# KiCad board DFTBoard.kicad_pcb (continued)
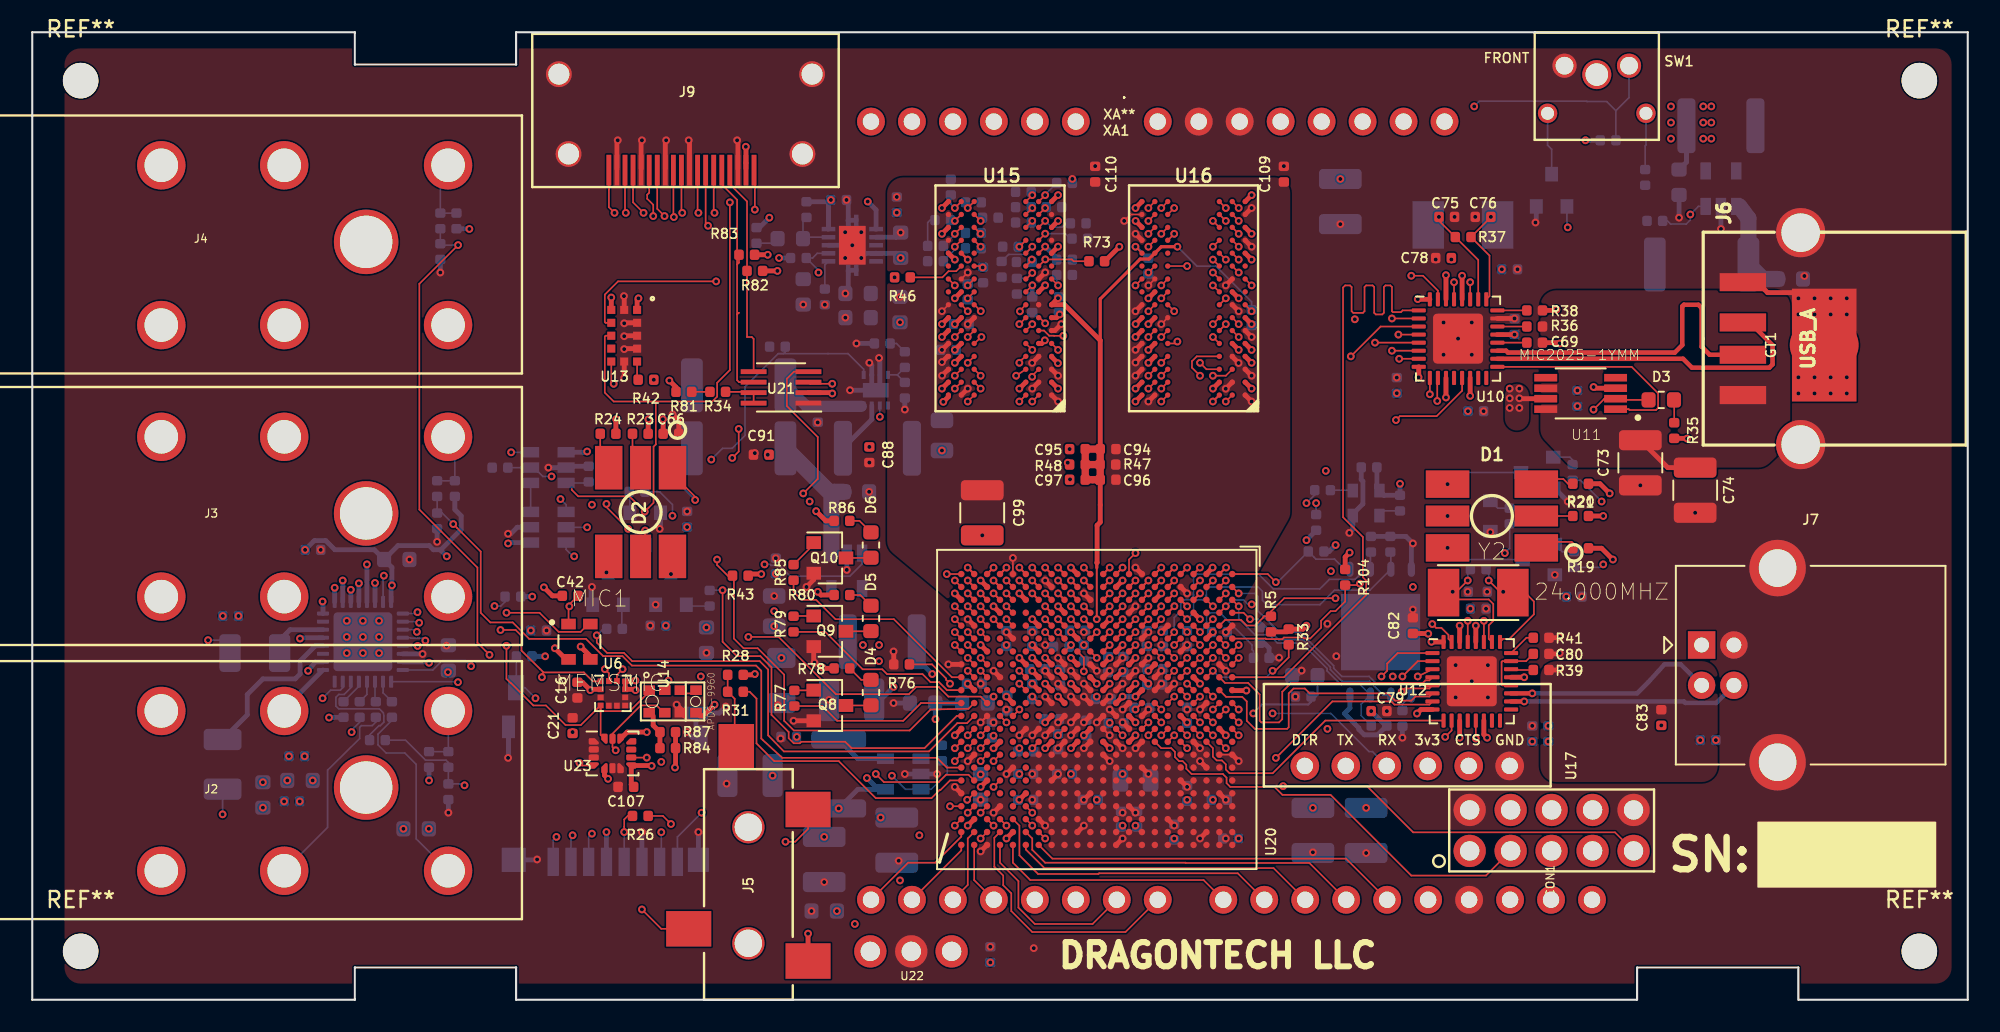
[diagram p0: board, top side]
## Routing (per net, layer and track width the routed paths; a pad name or vN(x,y) marks a point on that pad's centre or on a via; arc(x,y) is an arc through that point) (continued)
DDR3_DQ3: length 32.1
  TOP_GND w0.102: U16.F8 v1(69.2,41.1)
  TOP_GND w0.13: U20.F1 v1(70.8,26.8)
  SIGNAL2 w0.102: v1(70.8,26.8) 70.8,28.5 72.12,29.82 72.12,34.67 73.97,36.53 74.22,36.53 74.39,36.69 74.39,37.29 74.18,37.5 72.95,37.5 72.8,37.65 72.8,39.05 72.85,39.1 72.85,39.7 72.65,39.9 72.1,39.9 71.61,39.4 70.7,39.4 70.22,39.88 70.22,39.9 69.44,40.67 69.35,40.67 69.31,40.71 67.79,40.71 67.78,40.7 65.95,40.7 65.75,40.9 65.75,42.05 67,43.3 68.6,43.3 68.8,43.1 68.8,41.5 v1(69.2,41.1)
DDR3_DQ4: length 30.1
  TOP_GND w0.102: U16.H3 v1(74,43.5)
  TOP_GND w0.13: U20.E3 v1(71.6,24.4)
  SIGNAL2 w0.102: v1(74,43.5) 74.4,43.9 77.55,43.9 78.55,42.9 78.55,28.1 76.75,26.29 76.69,26.29 75.21,24.81 74.63,24.81 74.41,24.59 74.41,24.23 74.19,24.01 72.01,24.01 72,24 v1(71.6,24.4)
DDR3_DQ5: length 31.1
  TOP_GND w0.102: U16.H8 v1(69.2,42.7)
  TOP_GND w0.13: U20.E1 v1(71.6,26.8)
  SIGNAL2 w0.102: v1(69.2,42.7) 69.6,42.3 69.6,41.7 69.8,41.5 70.2,41.5 70.4,41.3 70.4,40.85 70.85,40.4 71.2,40.4 71.4,40.6 71.4,42.2 71.5,42.3 71.75,42.3 71.8,42.25 71.8,40.65 72.05,40.4 72.72,40.4 73.04,40.09 73.36,40.09 73.49,39.96 73.49,39.64 73.96,39.16 73.96,38.74 74.04,38.66 74.46,38.66 74.94,38.19 74.94,35.94 73.82,34.83 73.82,32.86 73.82,32.82 73.81,32.79 73.79,32.77 73.77,32.75 73.75,32.73 73.72,32.72 73.69,32.72 73.04,32.72 73.01,32.71 72.98,32.7 72.96,32.68 72.94,32.66 72.92,32.64 72.91,32.61 72.9,32.58 72.9,32.45 72.91,32.42 72.92,32.39 72.94,32.37 72.96,32.35 72.98,32.33 73.01,32.32 73.04,32.31 74.16,32.31 74.19,32.31 74.22,32.3 74.24,32.28 74.26,32.26 74.28,32.24 74.29,32.21 74.3,32.17 74.3,32.06 74.29,32.02 74.28,31.99 74.26,31.97 74.24,31.95 74.22,31.93 74.19,31.92 74.16,31.91 73.04,31.91 73.01,31.91 72.98,31.9 72.96,31.88 72.94,31.86 72.92,31.84 72.91,31.81 72.9,31.78 72.9,31.66 72.91,31.62 72.92,31.59 72.94,31.57 72.96,31.55 72.98,31.53 73.01,31.52 73.04,31.51 74.16,31.51 74.19,31.51 74.22,31.5 74.24,31.48 74.26,31.46 74.28,31.44 74.29,31.41 74.3,31.38 74.3,31.25 74.29,31.22 74.28,31.19 74.26,31.17 74.24,31.15 74.22,31.13 74.19,31.12 74.16,31.12 73.66,31.12 73.35,30.8 73.35,30 72.43,29.08 72.42,29.08 71.6,28.26 v1(71.6,26.8)
DDR3_DQ6: length 32.2
  TOP_GND w0.102: U16.G2 v1(74.8,41.9)
  TOP_GND w0.13: U20.D3 v1(72.4,25.2)
  SIGNAL2 w0.102: 72.59,25.2 v1(72.4,25.2) 72.4,25.1 72,24.7 72,24.5 72.25,24.25 72.65,24.25 72.8,24.4 72.8,25.15 73.05,25.4 73.47,25.4 73.68,25.61 74.19,25.61 75.37,26.78 75.42,26.78 77.54,28.91 77.54,31.61 77.5,31.65 77.5,31.75 77.5,31.77 77.51,31.79 77.52,31.81 77.54,31.83 77.56,31.84 77.58,31.85 77.6,31.85 77.64,31.85 77.66,31.85 77.68,31.86 77.7,31.87 77.72,31.89 77.73,31.91 77.74,31.93 77.74,31.95 77.74,32.15 77.74,32.17 77.73,32.19 77.72,32.21 77.7,32.23 77.68,32.24 77.66,32.25 77.64,32.25 77.31,32.25 77.29,32.25 77.27,32.26 77.25,32.27 77.23,32.29 77.22,32.31 77.21,32.33 77.21,32.35 77.21,32.55 77.21,32.57 77.22,32.59 77.23,32.61 77.25,32.63 77.27,32.64 77.29,32.65 77.31,32.65 77.64,32.65 77.66,32.65 77.68,32.66 77.7,32.67 77.72,32.69 77.73,32.71 77.74,32.73 77.74,32.75 77.74,32.95 77.74,32.97 77.73,32.99 77.72,33.01 77.7,33.03 77.68,33.04 77.66,33.05 77.64,33.05 77.31,33.05 77.29,33.05 77.27,33.06 77.25,33.07 77.23,33.09 77.22,33.11 77.21,33.13 77.21,33.15 77.21,33.35 77.21,33.37 77.22,33.39 77.23,33.41 77.25,33.43 77.27,33.44 77.29,33.45 77.31,33.45 77.64,33.45 77.66,33.45 77.68,33.46 77.7,33.47 77.72,33.49 77.73,33.51 77.74,33.53 77.74,33.55 77.74,33.75 77.74,33.77 77.73,33.79 77.72,33.81 77.7,33.83 77.68,33.84 77.66,33.85 77.64,33.85 77.31,33.85 77.29,33.85 77.27,33.86 77.25,33.87 77.23,33.89 77.22,33.91 77.21,33.93 77.21,33.95 77.21,34.15 77.21,34.17 77.22,34.19 77.23,34.21 77.25,34.23 77.27,34.24 77.29,34.25 77.31,34.25 77.64,34.25 77.66,34.25 77.68,34.26 77.7,34.27 77.72,34.29 77.73,34.31 77.74,34.33 77.74,34.35 77.74,34.55 77.74,34.57 77.73,34.59 77.72,34.61 77.7,34.63 77.68,34.64 77.66,34.65 77.64,34.65 77.31,34.65 77.29,34.65 77.27,34.66 77.25,34.67 77.23,34.69 77.22,34.71 77.21,34.73 77.21,34.75 77.21,34.95 77.21,34.97 77.22,34.99 77.23,35.01 77.25,35.03 77.27,35.04 77.29,35.05 77.31,35.05 77.64,35.05 77.66,35.05 77.68,35.06 77.7,35.07 77.72,35.09 77.73,35.11 77.74,35.13 77.74,35.15 77.74,35.35 77.74,35.37 77.73,35.39 77.72,35.41 77.7,35.43 77.68,35.44 77.66,35.45 77.64,35.45 77.31,35.45 77.29,35.45 77.27,35.46 77.25,35.47 77.23,35.49 77.22,35.51 77.21,35.53 77.21,35.55 77.21,35.75 77.21,35.77 77.22,35.79 77.23,35.81 77.25,35.83 77.27,35.84 77.29,35.85 77.31,35.85 77.4,35.85 77.42,35.85 77.44,35.86 77.46,35.87 77.48,35.89 77.49,35.91 77.5,35.93 77.5,35.95 77.5,43 77.4,43.1 76.05,43.1 76,43.05 76,42.52 75.78,42.3 75.2,42.3 v1(74.8,41.9)
DDR3_DQ7: length 30.9
  TOP_GND w0.102: U16.H7 v1(70.8,42.7)
  TOP_GND w0.13: v1(72.4,26.8) 72.4,26.8 U20.D1
  SIGNAL2 w0.102: v1(70.8,42.7) 70.8,42.45 70.7,42.35 70.7,41.7 70.65,41.65 70.5,41.65 70.4,41.75 70.4,42.1 70.15,42.35 70,42.35 69.8,42.55 69.8,42.9 69.95,43.05 70.2,43.05 70.4,43.25 70.4,43.6 70.7,43.9 73.35,43.9 73.6,43.65 73.6,43.32 73.92,43 73.92,42.8 73.76,42.64 72.69,42.64 72.5,42.45 72.5,41.2 73.05,40.65 73.85,40.65 74.11,40.39 74.11,39.86 74.38,39.58 74.38,39.32 74.61,39.09 75.81,39.09 76.04,38.86 76.04,36.97 75.44,36.36 75.44,34.39 75.4,34.35 75.4,30.75 72.4,27.75 72.4,27.75 v1(72.4,26.8)
DDR3_DQ8: length 19.9
  TOP_GND w0.102: U16.D7 v1(70,39.5)
  TOP_GND w0.13: U20.L3 v1(66.8,25.2)
  SIGNAL2 w0.102: v1(70,39.5) 69.6,39.9 68.6,39.9 68.59,39.91 66.59,39.91 66.09,39.41 66.09,25.91 v1(66.8,25.2)
DDR3_DQ9: length 18.9
  TOP_GND w0.102: v1(72.4,39.5) 72.8,39.1 U16.C3
  TOP_GND w0.13: U20.L1 v1(66.8,26.8)
  SIGNAL2 w0.102: v1(66.8,26.8) 66.8,27.38 67.06,27.64 67.06,37.14 68.23,38.31 69.4,38.31 69.61,38.51 69.61,38.89 69.83,39.11 72.01,39.11 v1(72.4,39.5)
DDR3_DQ10: length 19.5
  TOP_GND w0.102: U16.C8 v1(69.2,38.7)
  TOP_GND w0.13: U20.L2 v1(66.8,26)
  SIGNAL2 w0.102: v1(66.8,26) 66.4,26.4 66.4,27.7 66.59,27.89 66.59,37.99 66.59,38.03 66.61,38.07 66.63,38.11 66.66,38.14 66.7,38.17 66.74,38.18 66.79,38.19 67.37,38.19 67.41,38.19 67.46,38.21 67.49,38.23 67.53,38.26 67.55,38.3 67.56,38.34 67.57,38.39 67.56,38.43 67.55,38.47 67.53,38.51 67.49,38.54 67.46,38.57 67.41,38.58 67.37,38.59 66.79,38.59 66.74,38.59 66.7,38.61 66.66,38.63 66.63,38.66 66.61,38.7 66.59,38.74 66.59,38.79 66.59,39.24 66.95,39.6 67.44,39.6 67.94,39.09 68.81,39.09 v1(69.2,38.7) 69.2,38.56
DDR3_DQ11: length 23.3
  TOP_GND w0.102: U16.C2 74,38.7 v1(73.2,38.7) ; v1(68.4,27.7) 68,27.3 U20.J1
  SIGNAL1 w0.102: v1(68.4,27.7) 68.4,28.6 68.5,28.7 68.53,28.73 68.57,28.74 68.61,28.75 68.65,28.75 68.69,28.74 68.73,28.73 68.79,28.67 68.83,28.66 68.87,28.65 68.91,28.65 68.95,28.66 68.99,28.67 69.02,28.7 69.04,28.72 69.07,28.76 69.09,28.79 69.1,28.83 69.1,28.87 69.09,28.91 69.07,28.95 69.04,28.98 68.91,29.11 68.92,29.12 68.85,29.2 68.83,29.22 68.82,29.24 68.82,29.27 68.82,29.29 68.82,29.31 68.83,29.34 68.85,29.35 68.98,29.48 69,29.5 69.02,29.51 69.04,29.52 69.07,29.52 69.09,29.51 69.11,29.5 69.13,29.48 69.34,29.28 69.37,29.25 69.41,29.23 69.45,29.22 69.49,29.22 69.53,29.23 69.56,29.25 69.6,29.28 69.62,29.3 69.65,29.33 69.66,29.37 69.67,29.41 69.67,29.45 69.66,29.49 69.65,29.53 69.62,29.56 69.41,29.77 69.4,29.79 69.39,29.81 69.38,29.83 69.38,29.86 69.39,29.88 69.4,29.9 69.41,29.92 69.54,30.05 69.56,30.06 69.58,30.08 69.61,30.08 69.63,30.08 69.65,30.08 69.68,30.06 69.7,30.05 69.9,29.84 69.93,29.82 69.97,29.8 70.01,29.79 70.05,29.79 70.09,29.8 70.13,29.82 70.16,29.84 70.19,29.87 70.21,29.9 70.23,29.94 70.24,29.98 70.24,30.02 70.23,30.06 70.21,30.09 70.19,30.13 69.98,30.33 69.96,30.35 69.95,30.37 69.95,30.4 69.95,30.42 69.95,30.45 69.96,30.47 69.98,30.49 70.11,30.62 70.13,30.63 70.15,30.64 70.17,30.65 70.2,30.65 70.22,30.64 70.24,30.63 70.26,30.62 70.47,30.41 70.5,30.38 70.54,30.37 70.58,30.36 70.62,30.36 70.66,30.37 70.7,30.38 70.73,30.41 70.75,30.43 70.78,30.46 70.79,30.5 70.8,30.54 70.8,30.58 70.79,30.62 70.78,30.66 70.73,30.72 70.71,30.76 70.7,30.8 70.7,30.84 70.71,30.88 70.73,30.92 70.75,30.95 72.57,32.78 72.57,35.83 72.75,36 73.45,36 73.6,36.15 73.6,38.08 74,38.48 74,39.95 73.75,40.2 73.55,40.2 73.2,39.85 v1(73.2,38.7)
  SIGNAL2 w0.102: v1(73.2,38.7) 73.1,38.7
DDR3_DQ12: length 20.7
  TOP_GND w0.102: U16.A7 v1(70,37.1)
  TOP_GND w0.13: U20.K1 v1(67.6,26.8)
  SIGNAL2 w0.102: v1(70,37.1) 70.25,37.1 70.55,37.4 70.85,37.4 70.9,37.45 70.9,37.7 70.75,37.85 70.53,37.85 70.19,37.51 69.81,37.51 69.6,37.3 69.6,36.7 68.18,35.28 68.18,31.32 68.18,31.28 68.19,31.24 68.22,31.2 68.25,31.17 68.29,31.14 68.33,31.13 68.38,31.12 68.7,31.12 68.74,31.12 68.79,31.11 68.82,31.08 68.86,31.05 68.88,31.01 68.89,30.97 68.9,30.93 68.89,30.88 68.88,30.84 68.86,30.8 68.82,30.77 68.79,30.74 68.74,30.73 68.7,30.72 67.99,30.72 67.95,30.72 67.91,30.71 67.87,30.68 67.84,30.65 67.82,30.62 67.81,30.58 67.8,30.54 67.8,30.51 67.81,30.47 67.82,30.43 67.84,30.4 67.87,30.37 67.91,30.34 67.95,30.33 67.99,30.32 68.7,30.32 68.74,30.32 68.79,30.31 68.82,30.28 68.86,30.25 68.88,30.21 68.89,30.17 68.9,30.12 68.89,30.08 68.88,30.04 68.86,30 68.82,29.97 68.79,29.94 68.74,29.93 68.7,29.93 67.99,29.93 67.95,29.92 67.91,29.91 67.87,29.88 67.84,29.85 67.82,29.82 67.81,29.78 67.8,29.74 67.8,29.71 67.81,29.67 67.82,29.63 67.84,29.6 67.87,29.57 67.91,29.54 67.95,29.53 67.99,29.53 68.36,29.53 68.4,29.52 68.44,29.51 68.48,29.48 68.51,29.45 68.53,29.42 68.54,29.38 68.55,29.34 68.55,29.31 68.54,29.27 68.53,29.23 68.51,29.2 68.48,29.17 68.44,29.14 68.4,29.13 68.36,29.12 67.99,29.12 67.95,29.12 67.91,29.11 67.87,29.08 67.84,29.05 67.82,29.02 67.81,28.98 67.8,28.94 67.8,28.91 67.81,28.87 67.82,28.83 67.84,28.8 67.87,28.77 67.91,28.74 67.95,28.73 67.99,28.72 68.18,28.72 68.18,28.71 68.36,28.71 68.4,28.71 68.44,28.69 68.48,28.67 68.51,28.64 68.53,28.61 68.54,28.57 68.55,28.53 68.55,28.5 68.54,28.46 68.53,28.42 68.51,28.38 68.48,28.35 68.44,28.33 68.4,28.32 68.32,28.31 68.28,28.29 68.25,28.27 68.22,28.24 68.19,28.21 68.18,28.17 68.18,28.12 67.84,27.79 67.84,27.41 67.6,27.17 v1(67.6,26.8)
DDR3_DQ13: length 20.5
  TOP_GND w0.102: U16.A2 v1(74,37.1)
  TOP_GND w0.13: U20.G2 v1(70,26)
  SIGNAL2 w0.102: v1(74,37.1) 73.65,37.1 73.6,37.05 73.6,36.7 71.5,34.6 71.5,31.53 71.5,31.5 71.51,31.47 71.53,31.44 71.55,31.42 71.58,31.4 71.61,31.39 71.64,31.39 71.68,31.39 71.71,31.39 71.74,31.38 71.77,31.36 71.79,31.34 71.81,31.31 71.82,31.28 71.82,31.25 71.82,31.13 71.82,31.1 71.81,31.07 71.79,31.04 71.77,31.02 71.74,31 71.71,30.99 71.68,30.99 71.64,30.99 71.61,30.99 71.58,30.98 71.55,30.96 71.53,30.94 71.51,30.91 71.5,30.88 71.5,30.85 71.5,30.73 71.5,30.7 71.51,30.67 71.53,30.64 71.55,30.62 71.58,30.6 71.61,30.59 71.64,30.59 71.68,30.59 71.71,30.59 71.74,30.58 71.77,30.56 71.79,30.54 71.81,30.51 71.82,30.48 71.82,30.45 71.82,30.33 71.82,30.3 71.81,30.27 71.79,30.24 71.77,30.22 71.74,30.2 71.71,30.19 71.68,30.19 71.64,30.19 71.61,30.19 71.58,30.18 71.55,30.16 71.53,30.14 71.51,30.11 71.5,30.08 71.5,30.05 71.5,29.85 70.4,28.75 70.4,25.02 70.17,24.79 69.81,24.79 69.6,24.59 69.6,24.21 69.4,24.01 69.01,24.01 68.81,24.21 68.81,24.59 69.01,24.79 69.37,24.79 69.59,25.01 69.59,25.37 70,25.78 v1(70,26)
DDR3_DQ14: length 19.5
  TOP_GND w0.102: U16.B8 v1(69.2,37.9)
  TOP_GND w0.13: U20.K3 v1(67.6,25.2)
  SIGNAL2 w0.102: v1(69.2,37.9) 69.2,37.74 68.81,37.34 68.81,37.16 68.81,37.15 68.81,36.31 68.35,35.85 68.1,35.85 68,35.95 68,36.85 68.01,36.86 68.01,37.09 67.9,37.2 67.7,37.2 67.55,37.05 67.55,32.66 67.55,32.63 67.54,32.61 67.53,32.59 67.51,32.57 67.49,32.56 67.47,32.55 67.42,32.55 67.4,32.54 67.38,32.53 67.36,32.51 67.35,32.49 67.34,32.47 67.34,32.44 67.34,32.26 67.34,32.23 67.35,32.21 67.36,32.19 67.38,32.17 67.4,32.16 67.42,32.15 67.44,32.15 67.73,32.15 67.77,32.15 67.81,32.13 67.85,32.11 67.87,32.08 67.9,32.05 67.91,32.01 67.91,31.97 67.91,31.93 67.91,31.89 67.9,31.85 67.87,31.82 67.85,31.79 67.81,31.77 67.77,31.75 67.73,31.75 67.44,31.75 67.42,31.75 67.4,31.74 67.38,31.73 67.36,31.71 67.35,31.69 67.34,31.67 67.34,31.64 67.34,31.46 67.34,31.43 67.35,31.41 67.36,31.39 67.38,31.37 67.4,31.36 67.42,31.35 67.44,31.35 67.55,31.35 67.55,31.33 67.73,31.33 67.77,31.33 67.81,31.31 67.85,31.29 67.87,31.26 67.9,31.23 67.91,31.19 67.91,31.15 67.91,31.11 67.91,31.07 67.9,31.04 67.87,31 67.85,30.97 67.81,30.95 67.77,30.94 67.69,30.93 67.65,30.91 67.62,30.89 67.59,30.86 67.57,30.83 67.55,30.79 67.55,30.75 67.55,27.55 67.21,27.21 67.21,25.59 v1(67.6,25.2)
DDR3_DQ15: length 23.1
  TOP_GND w0.13: U16.A3 v1(73.2,37.1) ; U20.G1 v1(70,26.8)
  SIGNAL2 w0.102: 72.96,36.86 v1(73.2,37.1) 72.91,36.81 72.88,36.78 72.87,36.74 72.86,36.71 72.86,36.67 72.87,36.63 72.88,36.6 72.93,36.54 72.95,36.5 72.96,36.47 72.96,36.43 72.95,36.39 72.93,36.36 72.91,36.33 72.86,36.29 72.83,36.26 72.8,36.25 72.76,36.24 72.73,36.24 72.69,36.25 72.65,36.26 72.62,36.29 72.42,36.49 72.4,36.51 72.38,36.52 72.35,36.52 72.32,36.52 72.3,36.52 72.27,36.51 72.25,36.49 72.14,36.37 72.12,36.35 72.11,36.33 72.1,36.3 72.1,36.28 72.11,36.25 72.12,36.23 72.14,36.21 72.34,36 72.37,35.97 72.38,35.94 72.39,35.9 72.39,35.86 72.38,35.83 72.37,35.79 72.34,35.76 72.3,35.72 72.27,35.7 72.23,35.68 72.2,35.67 72.16,35.67 72.12,35.68 72.09,35.7 72.06,35.72 71.86,35.92 71.83,35.94 71.81,35.95 71.78,35.96 71.76,35.96 71.73,35.95 71.71,35.94 71.69,35.92 71.57,35.81 71.56,35.79 71.54,35.76 71.54,35.74 71.54,35.71 71.54,35.69 71.56,35.66 71.57,35.64 71.66,35.56 71.65,35.55 71.77,35.43 71.8,35.4 71.81,35.37 71.82,35.33 71.82,35.29 71.81,35.26 71.8,35.22 71.77,35.19 71.73,35.15 71.7,35.13 71.66,35.11 71.63,35.1 71.59,35.1 71.55,35.11 71.52,35.13 71.46,35.17 71.43,35.19 71.39,35.2 71.35,35.2 71.31,35.19 71.28,35.17 71.25,35.15 70.71,34.61 70.71,34.34 70.71,34.3 70.69,34.26 70.67,34.22 70.63,34.19 70.6,34.16 70.55,34.15 70.51,34.14 70.47,34.14 70.43,34.14 70.39,34.12 70.35,34.1 70.32,34.07 70.29,34.03 70.28,33.99 70.27,33.94 70.28,33.9 70.29,33.86 70.32,33.82 70.35,33.79 70.39,33.76 70.43,33.75 70.47,33.74 71.05,33.74 71.09,33.74 71.13,33.72 71.17,33.7 71.2,33.67 71.23,33.63 71.24,33.59 71.25,33.54 71.24,33.5 71.23,33.46 71.2,33.42 71.17,33.39 71.13,33.36 71.09,33.35 71.05,33.34 70.47,33.34 70.43,33.34 70.39,33.32 70.35,33.3 70.32,33.27 70.29,33.23 70.28,33.19 70.27,33.14 70.28,33.1 70.29,33.06 70.32,33.02 70.35,32.99 70.39,32.96 70.43,32.95 70.47,32.94 71.05,32.94 71.09,32.94 71.13,32.92 71.17,32.9 71.2,32.87 71.23,32.83 71.24,32.79 71.25,32.74 71.24,32.7 71.23,32.66 71.2,32.62 71.17,32.59 71.13,32.56 71.09,32.55 71.05,32.54 70.47,32.54 70.43,32.54 70.39,32.52 70.35,32.5 70.32,32.47 70.29,32.43 70.28,32.39 70.27,32.34 70.28,32.3 70.29,32.26 70.32,32.22 70.35,32.19 70.39,32.16 70.43,32.15 70.47,32.14 71.05,32.14 71.09,32.14 71.13,32.12 71.17,32.1 71.2,32.07 71.23,32.03 71.24,31.99 71.25,31.94 71.24,31.9 71.23,31.86 71.2,31.82 71.17,31.79 71.13,31.76 71.09,31.75 71.05,31.74 70.47,31.74 70.43,31.74 70.39,31.72 70.35,31.7 70.32,31.67 70.29,31.63 70.28,31.59 70.27,31.54 70.28,31.5 70.29,31.46 70.32,31.42 70.35,31.39 70.39,31.36 70.43,31.35 70.47,31.34 71.05,31.34 71.09,31.34 71.13,31.32 71.17,31.3 71.2,31.27 71.23,31.23 71.24,31.19 71.25,31.14 71.24,31.1 71.23,31.06 71.2,31.02 71.17,30.99 71.13,30.96 71.09,30.95 71.05,30.94 70.47,30.94 70.43,30.94 70.39,30.92 70.35,30.9 70.32,30.87 70.29,30.83 70.28,30.79 70.27,30.74 70.28,30.7 70.29,30.66 70.32,30.62 70.35,30.59 70.39,30.56 70.43,30.55 70.47,30.54 71.05,30.54 71.09,30.54 71.13,30.52 71.17,30.5 71.2,30.47 71.23,30.43 71.24,30.39 71.25,30.34 71.24,30.3 71.23,30.26 71.2,30.22 71.17,30.19 71.13,30.16 71.09,30.15 71.05,30.14 70.91,30.14 70.87,30.14 70.82,30.12 70.79,30.1 70.75,30.07 70.73,30.03 70.72,29.99 70.71,29.94 70.7,29.92 70.7,29.9 70.7,29.7 70,29 v1(70,26.8)
DDR3_DQ16: length 18.8
  TOP_GND w0.102: U15.E3 v1(62,40.3)
  TOP_GND w0.13: U20.T3 v1(62,25.2)
  SIGNAL1 w0.102: v1(62,25.2) 62.4,25.6 62.4,27.1 62.65,27.35 62.65,27.45 62.65,27.48 62.66,27.51 62.68,27.54 62.7,27.56 62.73,27.58 62.76,27.59 62.79,27.59 62.81,27.59 62.84,27.59 62.87,27.6 62.9,27.62 62.92,27.64 62.93,27.67 62.94,27.7 62.95,27.73 62.95,27.85 62.94,27.88 62.93,27.91 62.92,27.94 62.9,27.96 62.87,27.98 62.84,27.99 62.81,27.99 62.44,27.99 62.41,27.99 62.38,28 62.35,28.02 62.33,28.04 62.32,28.07 62.31,28.1 62.3,28.13 62.3,28.25 62.31,28.28 62.32,28.31 62.33,28.34 62.35,28.36 62.38,28.38 62.41,28.39 62.44,28.39 62.81,28.39 62.84,28.39 62.87,28.4 62.9,28.42 62.92,28.44 62.93,28.47 62.94,28.5 62.95,28.53 62.95,28.65 62.94,28.68 62.93,28.71 62.92,28.74 62.9,28.76 62.87,28.78 62.84,28.79 62.81,28.79 62.44,28.79 62.41,28.79 62.38,28.8 62.35,28.82 62.33,28.84 62.32,28.87 62.31,28.9 62.3,28.93 62.3,29.05 62.31,29.08 62.32,29.11 62.33,29.14 62.35,29.16 62.38,29.18 62.41,29.19 62.44,29.19 62.51,29.19 62.54,29.19 62.57,29.2 62.6,29.22 62.62,29.24 62.64,29.27 62.65,29.3 62.65,29.33 62.65,36.65 62.71,36.71 62.71,39.59 v1(62,40.3)
DDR3_DQ17: length 19.5
  TOP_GND w0.102: U15.F7 v1(58,41.1)
  TOP_GND w0.13: U20.T1 v1(62,26.8)
  SIGNAL1 w0.102: v1(58,41.1) 58,40.76 59.66,39.1 62.2,39.1 62.4,38.9 62.4,36.9 62,36.5 62,30.72 62,30.69 62.01,30.66 62.03,30.64 62.05,30.61 62.08,30.6 62.1,30.59 62.16,30.58 62.19,30.57 62.22,30.56 62.24,30.53 62.26,30.51 62.27,30.48 62.27,30.45 62.27,30.32 62.27,30.29 62.26,30.26 62.24,30.24 62.22,30.21 62.19,30.2 62.16,30.19 62.1,30.18 62.08,30.17 62.05,30.16 62.03,30.13 62.01,30.11 62,30.08 62,30.05 62,29.92 62,29.89 62.01,29.86 62.03,29.84 62.05,29.81 62.08,29.8 62.1,29.79 62.16,29.78 62.19,29.77 62.22,29.76 62.24,29.73 62.26,29.71 62.27,29.68 62.27,29.65 62.27,29.52 62.27,29.49 62.26,29.46 62.24,29.44 62.22,29.41 62.19,29.4 62.16,29.39 62.1,29.38 62.08,29.37 62.05,29.36 62.03,29.33 62.01,29.31 62,29.28 62,29.25 v1(62,26.8)
DDR3_DQ18: length 22
  TOP_GND w0.102: v1(63.93,41.17) 63.36,41.17 63.35,41.18 63.05,41.18 62.73,41.5 U15.F2 ; U20.M1 v1(65.2,26.8)
  SIGNAL2 w0.102: v1(65.2,26.8) 65.2,27.75 64.74,28.21 64.74,38.69 64.6,38.83 64.57,38.85 64.54,38.86 64.51,38.86 64.45,38.86 64.42,38.86 64.39,38.87 64.36,38.89 64.34,38.91 64.32,38.94 64.31,38.97 64.31,39 64.31,39.12 64.31,39.15 64.32,39.18 64.34,39.21 64.36,39.23 64.39,39.25 64.42,39.26 64.45,39.26 64.85,39.26 64.88,39.26 64.91,39.27 64.94,39.29 64.96,39.31 64.98,39.34 64.99,39.37 64.99,39.4 64.99,39.52 64.99,39.55 64.98,39.58 64.96,39.61 64.94,39.63 64.91,39.65 64.88,39.66 64.85,39.66 64.45,39.66 64.42,39.66 64.39,39.67 64.36,39.69 64.34,39.71 64.32,39.74 64.31,39.77 64.31,39.8 64.31,39.92 64.31,39.95 64.32,39.98 64.34,40.01 64.36,40.03 64.39,40.05 64.42,40.06 64.45,40.06 64.85,40.06 64.88,40.06 64.91,40.07 64.94,40.09 64.96,40.11 64.98,40.14 64.99,40.17 64.99,40.2 64.99,40.32 64.99,40.35 64.98,40.38 64.96,40.41 64.94,40.43 64.91,40.45 64.88,40.46 64.85,40.46 64.4,40.46 64.37,40.46 64.34,40.47 64.31,40.49 64.29,40.51 64.27,40.54 64.26,40.57 64.26,40.6 64.26,40.72 64.26,40.75 64.27,40.78 64.29,40.81 64.31,40.83 64.34,40.85 64.37,40.86 64.4,40.86 64.51,40.86 64.54,40.86 64.57,40.87 64.6,40.89 64.62,40.91 64.64,40.94 64.65,40.97 64.65,41 64.65,42.05 64.55,42.15 64.3,42.15 64.19,42.04 64.19,41.44 v1(63.93,41.17)
DDR3_DQ19: length 19
  TOP_GND w0.102: U15.F8 v1(57.2,41.1)
  TOP_GND w0.13: U20.T2 v1(62,26)
  SIGNAL2 w0.102: v1(57.2,41.1) 58.22,40.47 61.05,39.1 61.3,39.05 61.45,38.9 61.6,38.15 61.6,37.1 61.59,37.09 61.59,27.66 61.61,27.64 61.61,26.39 v1(62,26)
DDR3_DQ20: length 24.1
  TOP_GND w0.102: U15.H3 61.24,42.74
  TOP_GND w0.13: U20.M2 v1(65.2,26)
  SIGNAL2 w0.102: v1(65.2,26) 65.59,26.39 65.59,27.96 65.3,28.25 65.3,28.6 65.3,28.63 65.31,28.66 65.33,28.69 65.35,28.71 65.38,28.73 65.41,28.74 65.44,28.74 65.65,28.74 65.68,28.74 65.71,28.75 65.74,28.77 65.76,28.79 65.78,28.82 65.79,28.85 65.79,28.88 65.79,29 65.79,29.03 65.78,29.06 65.76,29.09 65.74,29.11 65.71,29.13 65.68,29.14 65.65,29.14 65.1,29.14 65.07,29.14 65.04,29.15 65.01,29.17 64.99,29.19 64.97,29.22 64.96,29.25 64.96,29.28 64.96,29.4 64.96,29.43 64.97,29.46 64.99,29.49 65.01,29.51 65.04,29.53 65.07,29.54 65.1,29.54 65.65,29.54 65.68,29.54 65.71,29.55 65.74,29.57 65.76,29.59 65.78,29.62 65.79,29.65 65.79,29.68 65.79,29.8 65.79,29.83 65.78,29.86 65.76,29.89 65.74,29.91 65.71,29.93 65.68,29.94 65.65,29.94 65.44,29.94 65.41,29.94 65.38,29.95 65.35,29.97 65.33,29.99 65.31,30.02 65.3,30.05 65.3,30.08 65.3,41.8 64,43.1 U15.H3 61.24,42.74 v1(61.24,42.69)
DDR3_DQ21: length 21.5
  TOP_GND w0.102: U15.H8 v1(58,42.7) ; 58.01,42.71 58.01,42.69
  TOP_GND w0.13: U20.R1 v1(62.8,26.8)
  SIGNAL1 w0.102: v1(58,42.7) 58.4,42.3 58.4,40.97 58.66,40.71 59.04,40.71 59.08,40.75 62.15,40.75 63.2,39.7 63.2,39.26 63.21,39.26 63.21,27.21 v1(62.8,26.8)
DDR3_DQ22: length 23.6
  TOP_GND w0.102: v1(62.8,41.95) 62.45,42.3 U15.G2
  TOP_GND w0.13: U20.N3 v1(64.4,25.2)
  SIGNAL2 w0.102: v1(64.4,25.2) 64.8,25.6 64.8,27.15 64.05,27.9 64.05,28.35 64.05,28.38 64.06,28.41 64.08,28.44 64.1,28.46 64.13,28.48 64.16,28.49 64.19,28.49 64.2,28.49 64.24,28.49 64.26,28.5 64.29,28.52 64.31,28.54 64.33,28.57 64.34,28.6 64.34,28.63 64.34,28.75 64.34,28.78 64.33,28.81 64.31,28.84 64.29,28.86 64.26,28.88 64.24,28.89 64.2,28.89 63.85,28.89 63.81,28.89 63.79,28.9 63.76,28.92 63.74,28.94 63.72,28.97 63.71,29 63.71,29.03 63.71,29.15 63.71,29.18 63.72,29.21 63.74,29.24 63.76,29.26 63.79,29.28 63.81,29.29 63.85,29.29 64.2,29.29 64.24,29.29 64.26,29.3 64.29,29.32 64.31,29.34 64.33,29.37 64.34,29.4 64.34,29.43 64.34,29.55 64.34,29.58 64.33,29.61 64.31,29.64 64.29,29.66 64.26,29.68 64.24,29.69 64.2,29.69 64.19,29.69 64.16,29.69 64.13,29.7 64.1,29.72 64.08,29.74 64.06,29.77 64.05,29.8 64.05,29.83 64.05,32.01 63.71,32.35 63.71,35.93 64.01,36.23 64.01,40.51 63.46,41.06 63.46,41.66 63.31,41.81 63.31,42.54 63.05,42.8 62.11,42.8 61.97,42.66 61.97,42.41 62.09,42.29 62.46,42.29 v1(62.8,41.95)
DDR3_DQ23: length 23
  TOP_GND w0.102: v1(58.81,42.71) 58.41,43.1 U15.H7
  TOP_GND w0.13: U20.R3 v1(62.8,25.2)
  SIGNAL2 w0.102: v1(62.8,25.2) 62.41,25.59 62.41,27.99 62.41,28.02 62.42,28.05 62.44,28.08 62.46,28.1 62.49,28.12 62.52,28.13 62.55,28.13 62.72,28.13 62.75,28.14 62.78,28.15 62.8,28.16 62.83,28.19 62.84,28.21 62.85,28.24 62.86,28.27 62.86,28.39 62.85,28.42 62.84,28.45 62.83,28.48 62.8,28.5 62.78,28.52 62.75,28.53 62.72,28.53 62.05,28.53 62.02,28.54 61.99,28.55 61.96,28.56 61.94,28.59 61.92,28.61 61.91,28.64 61.91,28.67 61.91,28.79 61.91,28.82 61.92,28.85 61.94,28.88 61.96,28.9 61.99,28.92 62.02,28.93 62.05,28.93 62.72,28.93 62.75,28.94 62.78,28.95 62.8,28.96 62.83,28.99 62.84,29.01 62.85,29.04 62.86,29.07 62.86,29.19 62.85,29.22 62.84,29.25 62.83,29.28 62.8,29.3 62.78,29.32 62.75,29.33 62.72,29.33 62.55,29.33 62.52,29.34 62.49,29.35 62.46,29.36 62.44,29.39 62.42,29.41 62.41,29.44 62.41,29.47 62.41,38.8 62.18,39.02 61.88,39.02 61.6,39.3 61.6,39.68 61.38,39.9 61.02,39.9 58.81,42.11 v1(58.81,42.71)
DDR3_DQ24: length 17.3
  TOP_GND w0.102: U15.D7 v1(58,39.5)
  TOP_GND w0.13: U20.AA3 v1(58,25.2)
  SIGNAL4 w0.102: v1(58,25.2) 57.61,25.59 57.61,25.89 57.6,25.9 57.6,27.55 57.61,27.6 57.62,27.64 57.64,27.68 57.68,27.71 57.72,27.73 57.76,27.75 57.85,27.76 57.89,27.77 57.93,27.8 57.96,27.83 57.99,27.87 58,27.91 58.01,27.96 58.01,28.05 58,28.1 57.99,28.14 57.96,28.18 57.93,28.21 57.89,28.23 57.85,28.25 57.76,28.26 57.72,28.27 57.68,28.3 57.64,28.33 57.62,28.37 57.61,28.41 57.6,28.46 57.6,36.7 56.8,37.5 56.8,38.92 56.97,39.1 57.6,39.1 v1(58,39.5)
DDR3_DQ25: length 20.8
  TOP_GND w0.102: U15.C3 v1(61,38.7)
  TOP_GND w0.13: U20.Y1 v1(59.6,26.8)
  SIGNAL2 w0.102: v1(61,38.7) 58.4,36.1 58.4,35.48 58.4,35.45 58.41,35.42 58.43,35.39 58.45,35.37 58.48,35.35 58.51,35.34 58.54,35.34 58.75,35.34 58.79,35.34 58.81,35.33 58.84,35.31 58.86,35.29 58.88,35.26 58.89,35.23 58.89,35.2 58.89,35.08 58.89,35.05 58.88,35.02 58.86,34.99 58.84,34.97 58.81,34.95 58.79,34.94 58.75,34.94 58.05,34.94 58.01,34.94 57.99,34.93 57.96,34.91 57.94,34.89 57.92,34.86 57.91,34.83 57.91,34.8 57.91,34.68 57.91,34.65 57.92,34.62 57.94,34.59 57.96,34.57 57.99,34.55 58.01,34.54 58.05,34.54 58.75,34.54 58.79,34.54 58.81,34.53 58.84,34.51 58.86,34.49 58.88,34.46 58.89,34.43 58.89,34.4 58.89,34.28 58.89,34.25 58.88,34.22 58.86,34.19 58.84,34.17 58.81,34.15 58.79,34.14 58.75,34.14 58.05,34.14 58.01,34.14 57.99,34.13 57.96,34.11 57.94,34.09 57.92,34.06 57.91,34.03 57.91,34 57.91,33.88 57.91,33.85 57.92,33.82 57.94,33.79 57.96,33.77 57.99,33.75 58.01,33.74 58.05,33.74 58.75,33.74 58.79,33.74 58.81,33.73 58.84,33.71 58.86,33.69 58.88,33.66 58.89,33.63 58.89,33.6 58.89,33.48 58.89,33.45 58.88,33.42 58.86,33.39 58.84,33.37 58.81,33.35 58.79,33.34 58.75,33.34 58.05,33.34 58.01,33.34 57.99,33.33 57.96,33.31 57.94,33.29 57.92,33.26 57.91,33.23 57.91,33.2 57.91,33.08 57.91,33.05 57.92,33.02 57.94,32.99 57.96,32.97 57.99,32.95 58.01,32.94 58.05,32.94 58.75,32.94 58.79,32.94 58.81,32.93 58.84,32.91 58.86,32.89 58.88,32.86 58.89,32.83 58.89,32.8 58.89,32.68 58.89,32.65 58.88,32.62 58.86,32.59 58.84,32.57 58.81,32.55 58.79,32.54 58.75,32.54 58.54,32.54 58.51,32.54 58.48,32.53 58.45,32.51 58.43,32.49 58.41,32.46 58.4,32.43 58.4,32.4 58.4,31.18 58.29,31.06 58.29,28.14 59.18,27.25 59.18,27.22 v1(59.6,26.8)
